# Altium PCB BeagleNode_revA.PcbDoc (part 1 of 2)
Units mil, origin at the board's own origin, x right, y up, seen from the top; angles counter-clockwise.
Board outline 5433.07 x 3425.2 mil, 2 copper layers (Top Layer, Bottom Layer), stack 61.756 mil thick; 246 components, 218 nets, 760 pads, 373 vias.
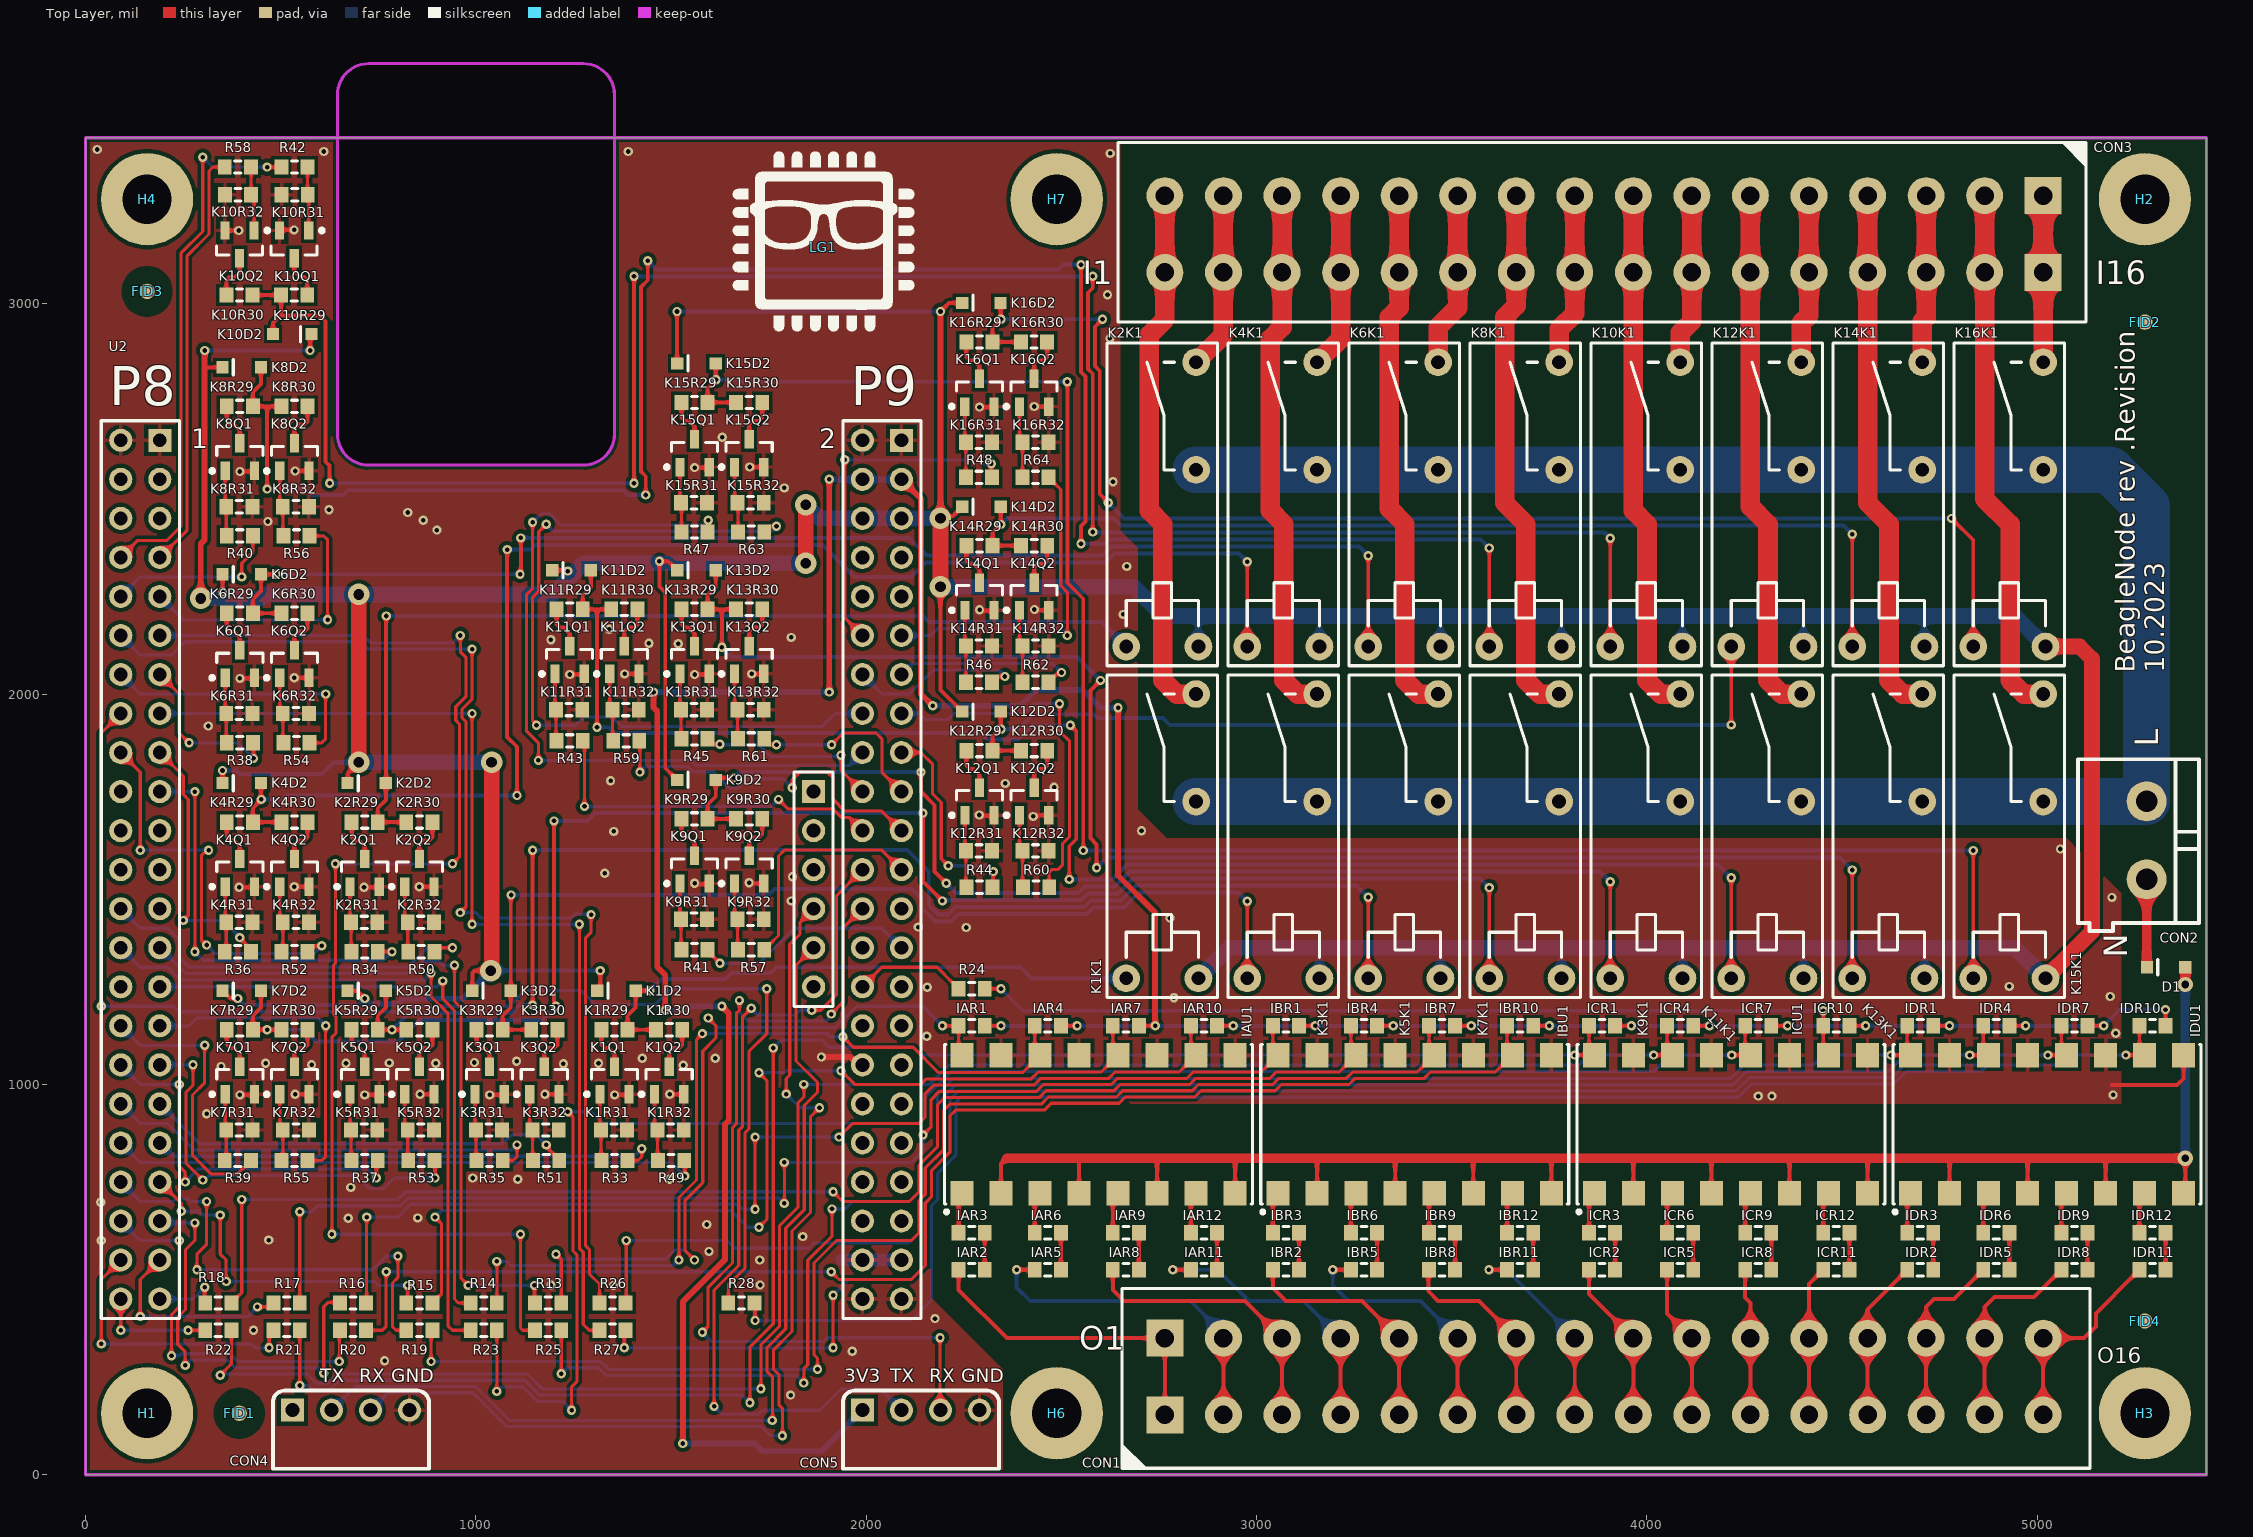
[diagram p0: Top Layer view]
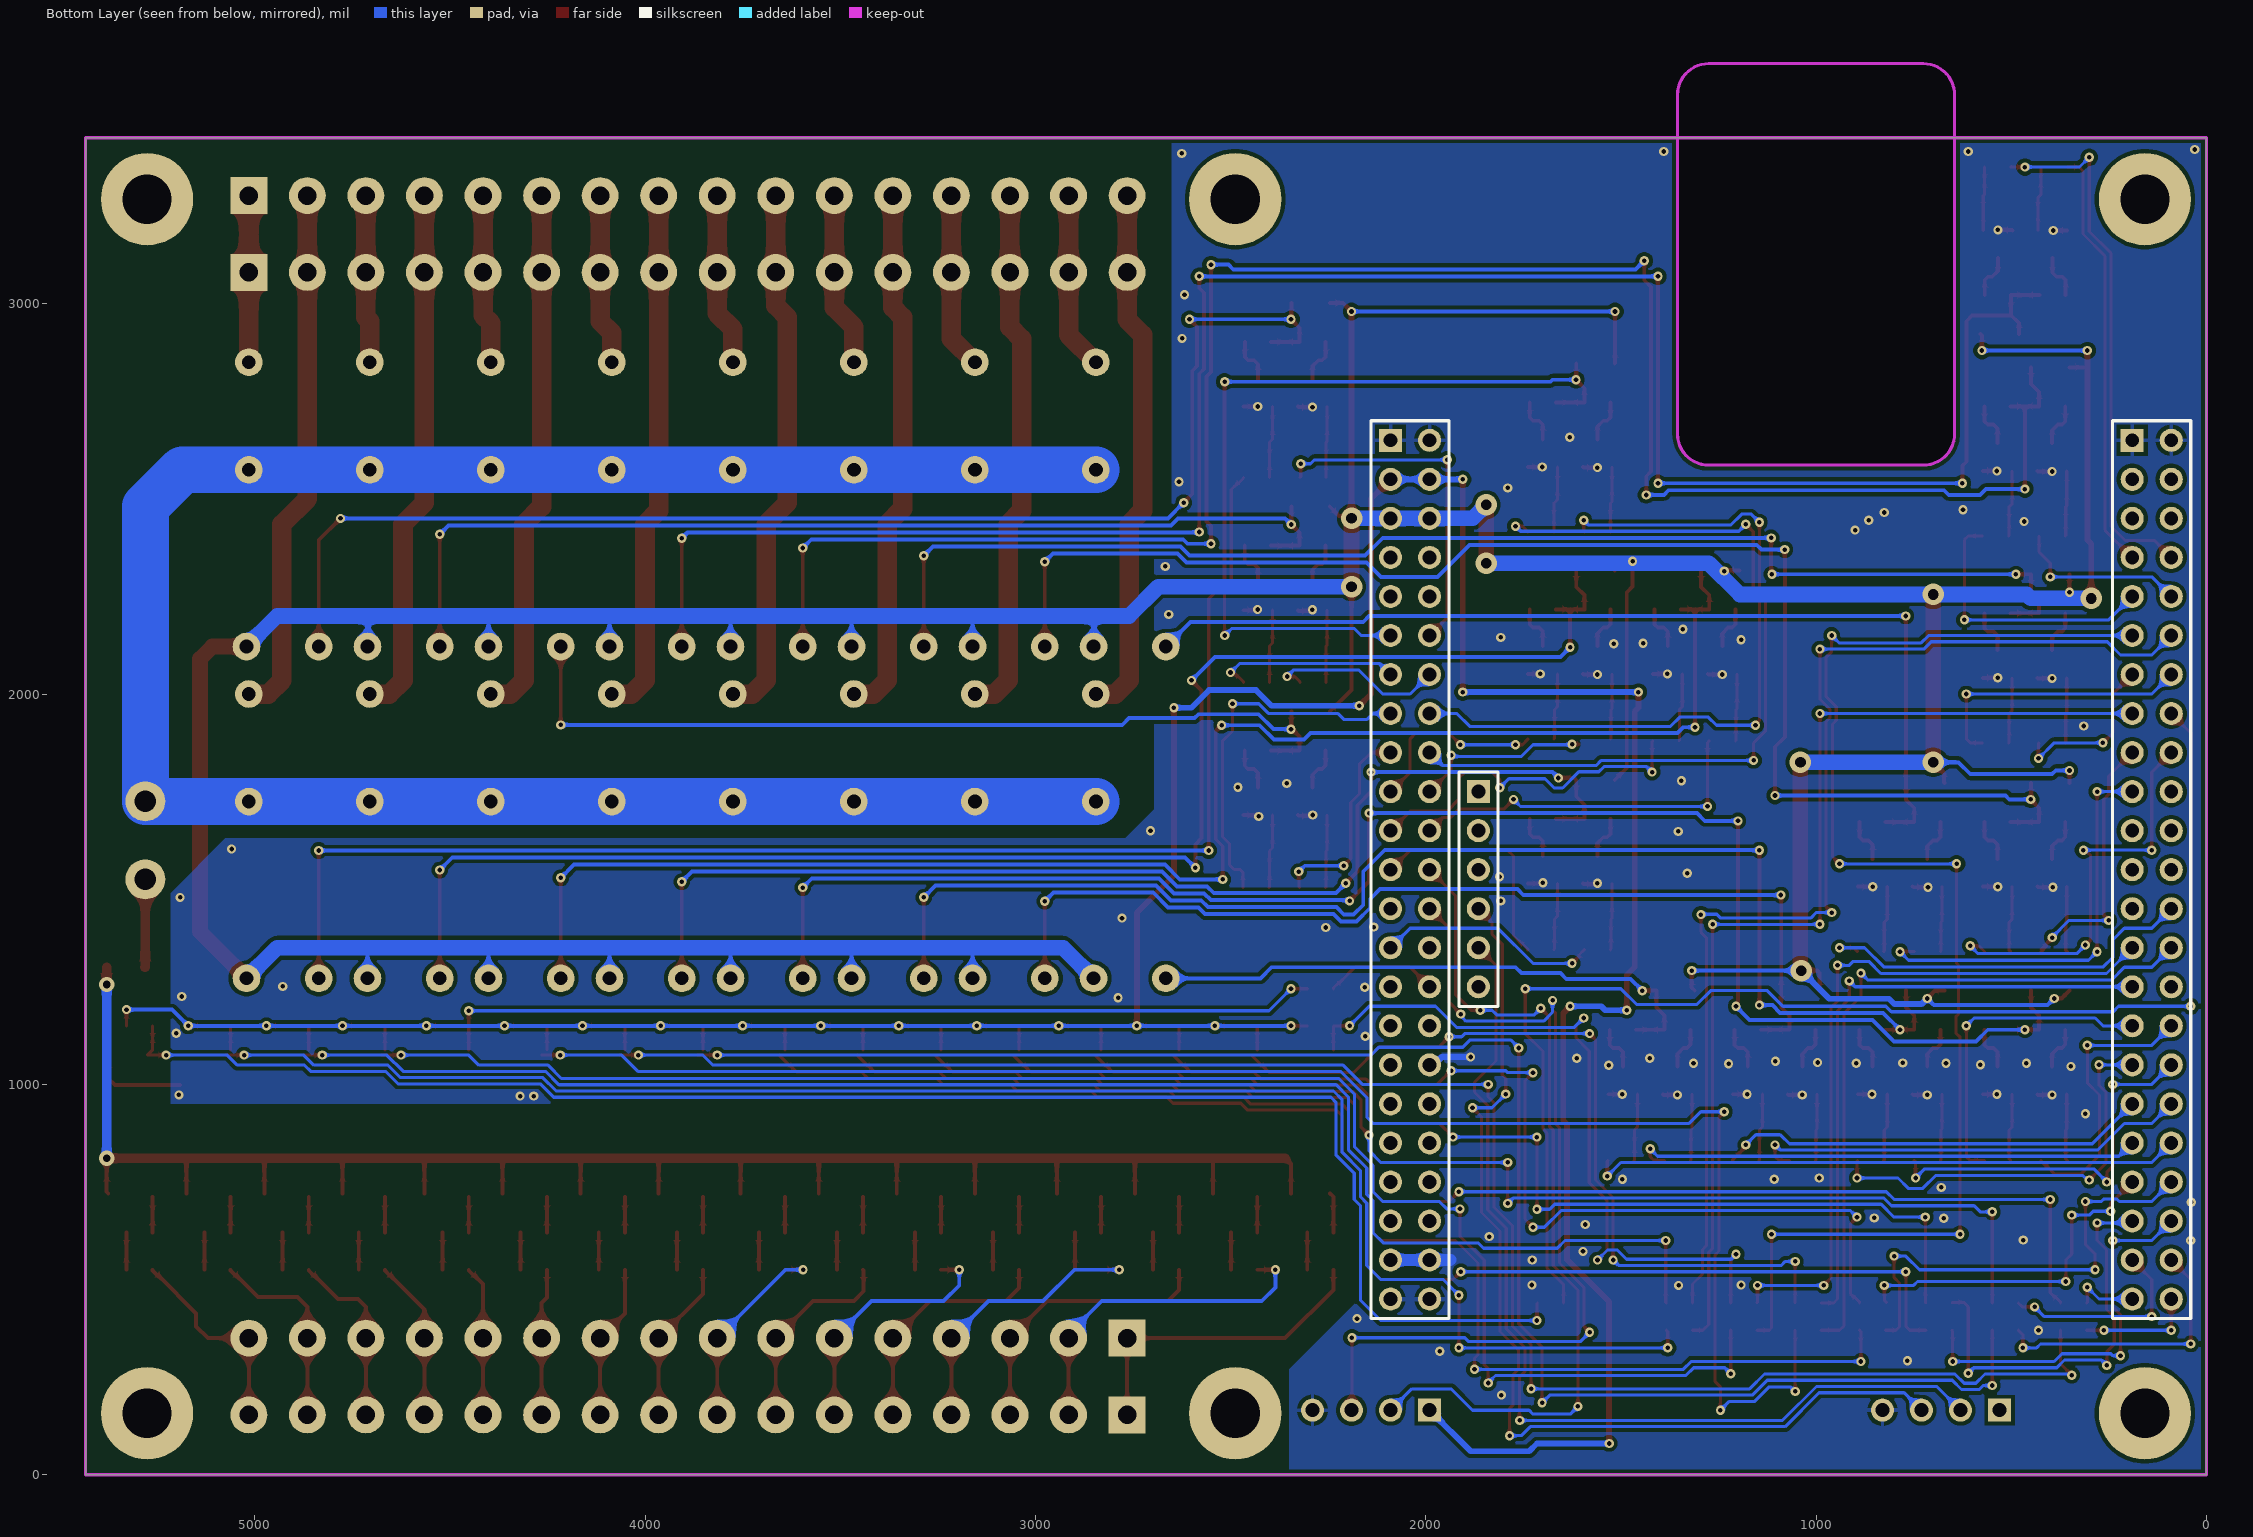
[diagram p1: Bottom Layer view, seen from below]

## Layer stack, top to bottom
Top Solder: solder mask 1, SM-001, Dk 4
Top Layer: signal copper 1.378
Dielectric 1: core 59, Core-043, Dk 4.3
Bottom Layer: signal copper 1.378
Bottom Solder: solder mask 1, SM-001, Dk 4

## Board outline
0,0 5433.07,0 5433.07,3425.2 0,3425.2

## Design rules (kind name [scope] priority, off if disabled: settings)
Clearance poly_clerance [InNamedPolygon('C') or InNamedPolygon('C')] p1: gap=10 ignorepadtopadclearanceinfootprint=FALSE
Clearance [All] p2: gap=10 ignorepadtopadclearanceinfootprint=TRUE except(8: Arc-Arc Arc-Track Arc-SMDPad Arc-Fill Arc-Poly Arc-Region Track-Track Track-SMDPad Track-Fill Track-Poly Track-Region SMDPad-SMDPad SMDPad-Fill SMDPad-Poly SMDPad-Region Fill-Fill Fill-Poly Fill-Region Poly-Poly Poly-Region Region-Region)
DiffPairsRouting [All] p1: maxlimit=100 minlimit=9 mostfreqgap=10 toplayer_minwidth=7 toplayer_maxwidth=20 toplayer_prefwidth=15 bottomlayer_minwidth=7 bottomlayer_maxwidth=20 bottomlayer_prefwidth=15 maxuncoupledlength=500
FanoutControl Fanout_LCC [IsLCC] p1: bgadir=Out bgaviamode=Centered fanoutstyle=Auto fanoutdirection=Alternating viagrid=1 // Fanout_LCC (Default Rule)
FanoutControl Fanout_SOIC [IsSOIC] p2: bgadir=Out bgaviamode=Centered fanoutstyle=Auto fanoutdirection=Alternating viagrid=1 // Fanout_SOIC (Default Rule)
FanoutControl Fanout_Small [(CompPinCount < 5)] p3: bgadir=Out bgaviamode=Centered fanoutstyle=Auto fanoutdirection=OutThenIn viagrid=1 // Fanout_Small (Default Rule)
FanoutControl Fanout_Default [All] p4: bgadir=Out bgaviamode=Centered fanoutstyle=Auto fanoutdirection=Alternating viagrid=1 // Fanout_Default (Default Rule)
Height [All] p1: minheight=0 maxheight=1200 prefheight=500
HoleSize [All] p1: absolutevalues=TRUE maxlimit=200 minlimit=1 maxpercent=80.000 minpercent=20.000
HoleToHoleClearance [All] p1: gap=5 allowstackedmicrovias=TRUE
MinimumSolderMaskSliver [All] p1: minsoldermaskwidth=1
PasteMaskExpansion [InNet('230V_N')] p1: expansion=20
PlaneClearance [All] p1: clearance=10
PlaneConnect Via_Thermal_Relief [IsStitchingVia Or IsVia] p1: planeconnectstyle=Direct reliefexpansion=20 reliefentries=4 reliefconductorwidth=10 reliefairgap=40
PlaneConnect PEConnect [InNet('PE')] p2: planeconnectstyle=Relief reliefexpansion=20 reliefentries=4 reliefconductorwidth=10 reliefairgap=40
PlaneConnect [All] p3: planeconnectstyle=Direct reliefexpansion=8 reliefentries=4 reliefconductorwidth=8 reliefairgap=5
PolygonConnect GND_VIA_CONN [InNet('GND') And (IsStitchingVia Or IsVia)] p1: connectstyle=Direct reliefconductorwidth=10 reliefentries=4 polygonreliefangle="90 Angle" airgapwidth=10
PolygonConnect GNDE_VIA_CONN [InNet('GNDE') And (IsStitchingVia Or IsVia)] p2: connectstyle=Direct reliefconductorwidth=10 reliefentries=4 polygonreliefangle="90 Angle" airgapwidth=10
PolygonConnect BAT-VIA_CONN [InNet('BAT-') And (IsStitchingVia Or IsVia)] p3: connectstyle=Direct reliefconductorwidth=10 reliefentries=4 polygonreliefangle="90 Angle" airgapwidth=10
PolygonConnect [All] p4: connectstyle=Relief reliefconductorwidth=10 reliefentries=4 polygonreliefangle="90 Angle" airgapwidth=10
RoomDefinition K10 [InComponentClass('K10') and (not InComponent('K10K1'))] p1: confinementstyle=ConfineIn formatcopy=TRUE lockcomponents=FALSE outline 619.21,3314.02 309.21,3314.02 309.21,2887.1 619.21,2887.1
RoomDefinition K1 [InComponentClass('K1') and (not InComponent('K1K1'))] p2: confinementstyle=ConfineIn formatcopy=TRUE lockcomponents=FALSE outline 1270,848.08 1580,848.08 1580,1275 1270,1275
RoomDefinition K2 [InComponentClass('K2') and (not InComponent('K2K1'))] p3: confinementstyle=ConfineIn formatcopy=TRUE lockcomponents=FALSE outline 630,1380 940,1380 940,1806.92 630,1806.92
RoomDefinition K3 [InComponentClass('K3') and (not InComponent('K3K1'))] p4: confinementstyle=ConfineIn formatcopy=TRUE lockcomponents=FALSE outline 950,848.08 1260,848.08 1260,1275 950,1275
RoomDefinition K4 [InComponentClass('K4') and (not InComponent('K4K1'))] p5: confinementstyle=ConfineIn formatcopy=TRUE lockcomponents=FALSE outline 310,1380 620,1380 620,1806.92 310,1806.92
RoomDefinition K5 [InComponentClass('K5') and (not InComponent('K5K1'))] p6: confinementstyle=ConfineIn formatcopy=TRUE lockcomponents=FALSE outline 630,848.08 940,848.08 940,1275 630,1275
RoomDefinition K6 [InComponentClass('K6') and (not InComponent('K6K1'))] p7: confinementstyle=ConfineIn formatcopy=TRUE lockcomponents=FALSE outline 310,1915 620,1915 620,2341.92 310,2341.92
RoomDefinition K7 [InComponentClass('K7') and (not InComponent('K7K1'))] p8: confinementstyle=ConfineIn formatcopy=TRUE lockcomponents=FALSE outline 310,848.08 620,848.08 620,1275 310,1275
RoomDefinition K8 [InComponentClass('K8') and (not InComponent('K8K1'))] p9: confinementstyle=ConfineIn formatcopy=TRUE lockcomponents=FALSE outline 310,2445 620,2445 620,2871.92 310,2871.92
RoomDefinition K9 [InComponentClass('K9') and (not InComponent('K9K1'))] p10: confinementstyle=ConfineIn formatcopy=TRUE lockcomponents=FALSE outline 1475,1388.08 1785,1388.08 1785,1815 1475,1815
RoomDefinition K11 [InComponentClass('K11') and (not InComponent('K11K1'))] p11: confinementstyle=ConfineIn formatcopy=TRUE lockcomponents=FALSE outline 1155,1925 1465,1925 1465,2351.92 1155,2351.92
RoomDefinition K12 [InComponentClass('K12') and (not InComponent('K12K1'))] p12: confinementstyle=ConfineIn formatcopy=TRUE lockcomponents=FALSE outline 2205,1563.08 2515,1563.08 2515,1990 2205,1990
RoomDefinition K13 [InComponentClass('K13') and (not InComponent('K13K1'))] p13: confinementstyle=ConfineIn formatcopy=TRUE lockcomponents=FALSE outline 1475,1925 1785,1925 1785,2351.92 1475,2351.92
RoomDefinition K14 [InComponentClass('K14') and (not InComponent('K14K1'))] p14: confinementstyle=ConfineIn formatcopy=TRUE lockcomponents=FALSE outline 2205,2088.08 2515,2088.08 2515,2515 2205,2515
RoomDefinition K15 [InComponentClass('K15') and (not InComponent('K15K1'))] p15: confinementstyle=ConfineIn formatcopy=TRUE lockcomponents=FALSE outline 1475,2455 1785,2455 1785,2881.92 1475,2881.92
RoomDefinition K16 [InComponentClass('K16') and (not InComponent('K16K1'))] p16: confinementstyle=ConfineIn formatcopy=TRUE lockcomponents=FALSE outline 2204.81,2610 2514.81,2610 2514.81,3036.92 2204.81,3036.92
RoutingVias [All] p1: holewidth=5.91 width=11.81 viastyle="Through Hole" minholewidth=5.91 minwidth=11.81 maxholewidth=500 maxwidth=1000
SilkToSilkClearance [All] p1: silktosilkclearance=5
SilkToSolderMaskClearance SilkscreenOverComponentPads [IsPad] p1: minsilkscreentomaskgap=1 clearancetoexposedcopper=TRUE
SolderMaskExpansion [InNet('230V_N')] p1: expansion=5 istentingtop=FALSE
Width GND [InNet('GND')] p1: maxlimit=100 minlimit=7 preferedwidth=50
Width [All] p2: maxlimit=200 minlimit=7 preferedwidth=8
15 further rules are at their usual default settings.

## Classes and differential pairs
channel class relay: K1 K2 K3 K4 K5 K6 K7 K8 K9 K10 K11 K12 K13 K14 K15 K16
channel class opto: IA IB IC ID
net class PULL[1..16]: PULL1 PULL2 PULL3 PULL4 PULL5 PULL6 PULL7 PULL8 PULL9 PULL10 PULL11 PULL12 PULL13 PULL14 PULL15 PULL16
net class OUTD[1..4]: OUTD1 OUTD2 OUTD3 OUTD4
net class OUTC[1..4]: OUTC1 OUTC2 OUTC3 OUTC4
net class OUTB[1..4]: OUTB1 OUTB2 OUTB3 OUTB4
net class OUTA[1..4]: OUTA1 OUTA2 OUTA3 OUTA4
net class OUT[1..32]: OUT1 OUT2 OUT3 OUT4 OUT5 OUT6 OUT7 OUT8 OUT9 OUT10 OUT11 OUT12 OUT13 OUT14 OUT15 OUT16 OUT17 OUT18 OUT19 OUT20 OUT21 OUT22 OUT23 OUT24 OUT25 OUT26 OUT27 OUT28 OUT29 OUT30 OUT31 OUT32
net class LOUT[1..16]: LOUT1 LOUT2 LOUT3 LOUT4 LOUT5 LOUT6 LOUT7 LOUT8 LOUT9 LOUT10 LOUT11 LOUT12 LOUT13 LOUT14 LOUT15 LOUT16
net class IND[1..4]: IND1 IND2 IND3 IND4
net class INC[1..4]: INC1 INC2 INC3 INC4
net class INB[1..4]: INB1 INB2 INB3 INB4
net class INA[1..4]: INA1 INA2 INA3 INA4
net class IN[1..16]: IN1 IN2 IN3 IN4 IN5 IN6 IN7 IN8 IN9 IN10 IN11 IN12 IN13 IN14 IN15 IN16
net class HOLD[1..16]: HOLD1 HOLD2 HOLD3 HOLD4 HOLD5 HOLD6 HOLD7 HOLD8 HOLD9 HOLD10 HOLD11 HOLD12 HOLD13 HOLD14 HOLD15 HOLD16
component class U_sbc: CON4 CON5 U2
component class U_output: CON3 R33 R34 R35 R36 R37 R38 R39 R40 R41 R42 R43 R44 R45 R46 R47 R48 R49 R50 R51 R52 R53 R54 R55 R56 R57 R58 R59 R60 R61 R62 R63 R64
component class U_input: CON1 R13 R14 R15 R16 R17 R18 R19 R20 R21 R22 R23 R24 R25 R26 R27 R28
component class top: CON2 D1 FID1 FID2 FID3 FID4 H1 H2 H3 H4 H6 H7 LG1
component class K16: K16D2 K16K1 K16Q1 K16Q2 K16R29 K16R30 K16R31 K16R32
component class K15: K15D2 K15K1 K15Q1 K15Q2 K15R29 K15R30 K15R31 K15R32
component class K14: K14D2 K14K1 K14Q1 K14Q2 K14R29 K14R30 K14R31 K14R32
component class K13: K13D2 K13K1 K13Q1 K13Q2 K13R29 K13R30 K13R31 K13R32
component class K12: K12D2 K12K1 K12Q1 K12Q2 K12R29 K12R30 K12R31 K12R32
component class K11: K11D2 K11K1 K11Q1 K11Q2 K11R29 K11R30 K11R31 K11R32
component class K10: K10D2 K10K1 K10Q1 K10Q2 K10R29 K10R30 K10R31 K10R32
component class K9: K9D2 K9K1 K9Q1 K9Q2 K9R29 K9R30 K9R31 K9R32
component class K8: K8D2 K8K1 K8Q1 K8Q2 K8R29 K8R30 K8R31 K8R32
component class K7: K7D2 K7K1 K7Q1 K7Q2 K7R29 K7R30 K7R31 K7R32
component class K6: K6D2 K6K1 K6Q1 K6Q2 K6R29 K6R30 K6R31 K6R32
component class K5: K5D2 K5K1 K5Q1 K5Q2 K5R29 K5R30 K5R31 K5R32
component class K4: K4D2 K4K1 K4Q1 K4Q2 K4R29 K4R30 K4R31 K4R32
component class K3: K3D2 K3K1 K3Q1 K3Q2 K3R29 K3R30 K3R31 K3R32
component class K2: K2D2 K2K1 K2Q1 K2Q2 K2R29 K2R30 K2R31 K2R32
component class K1: K1D2 K1K1 K1Q1 K1Q2 K1R29 K1R30 K1R31 K1R32
component class ID: IDR1 IDR2 IDR3 IDR4 IDR5 IDR6 IDR7 IDR8 IDR9 IDR10 IDR11 IDR12 IDU1
component class IC: ICR1 ICR2 ICR3 ICR4 ICR5 ICR6 ICR7 ICR8 ICR9 ICR10 ICR11 ICR12 ICU1
component class IB: IBR1 IBR2 IBR3 IBR4 IBR5 IBR6 IBR7 IBR8 IBR9 IBR10 IBR11 IBR12 IBU1
component class IA: IAR1 IAR2 IAR3 IAR4 IAR5 IAR6 IAR7 IAR8 IAR9 IAR10 IAR11 IAR12 IAU1

## Components (designator, comment, footprint, x,y, rotation, side; value= is the part's Value field where it differs from the comment)
CON1 "DG235-3.81-16P" DG235-3.81-16P 3890,251.57 r0 top locked
CON2 "DG306-5.0-02P-12-00A(H)" TERMINAL-BLOCK-2WAY-5.0 5413.85,1402.96 r90 top locked
CON3 "DG235-3.81-16P" DG235-3.81-16P 3890,3178.43 r180 top locked
CON4 "DS1022-1*4RDF14" HMTA_1X4_2.54_3.60 679.8,165.35 r0 top
CON5 "DS1022-1*4RDF14" HMTA_1X4_2.54_3.60 2140,165.35 r0 top
D1 "FR05JFL" SOD323 5330,1300 r0 top
FID1 "Generic fidutial" FID_ROUND 393.7,157.48 r0 top
FID2 "Generic fidutial" FID_ROUND 5275.59,2952.76 r90 top
FID3 "Generic fidutial" FID_ROUND 157.48,3031.5 r90 top
FID4 "Generic fidutial" FID_ROUND 5275.59,393.7 r90 top
H1 "3.2/6mm" hole-3.2/6 157.48,157.48 r0 top
H2 "3.2/6mm" hole-3.2/6 5275.59,3267.72 r0 top
H3 "3.2/6mm" hole-3.2/6 5275.59,157.48 r0 top
H4 "3.2/6mm" hole-3.2/6 157.48,3267.72 r0 top
H6 "3.2/6mm" hole-3.2/6 2487.83,157.48 r0 top
H7 "3.2/6mm" hole-3.2/6 2487.83,3267.72 r0 top
IAR1 "10k" RES0603 2270,1150 r0 top (schematic designator R1)
IAR2 "220k" RES0603 2270,525 r180 top (schematic designator R2)
IAR3 "220k" RES0603 2270,620 r0 top (schematic designator R3)
IAR4 "10k" RES0603 2465,1150 r0 top (schematic designator R4)
IAR5 "220k" RES0603 2465,525 r180 top (schematic designator R5)
IAR6 "220k" RES0603 2465,620 r0 top (schematic designator R6)
IAR7 "10k" RES0603 2665,1150 r0 top (schematic designator R7)
IAR8 "220k" RES0603 2665,525 r180 top (schematic designator R8)
IAR9 "220k" RES0603 2665,620 r0 top (schematic designator R9)
IAR10 "10k" RES0603 2865,1150 r0 top (schematic designator R10)
IAR11 "220k" RES0603 2865,525 r180 top (schematic designator R11)
IAR12 "220k" RES0603 2865,620 r0 top (schematic designator R12)
IAU1 "LTV-847S" GULLWING16 2595,897.83 r0 top locked (schematic designator U1)
IBR1 "10k" RES0603 3075,1150 r0 top (schematic designator R1)
IBR2 "220k" RES0603 3075,525 r180 top (schematic designator R2)
IBR3 "220k" RES0603 3075,620 r0 top (schematic designator R3)
IBR4 "10k" RES0603 3275,1150 r0 top (schematic designator R4)
IBR5 "220k" RES0603 3275,525 r180 top (schematic designator R5)
IBR6 "220k" RES0603 3275,620 r0 top (schematic designator R6)
IBR7 "10k" RES0603 3475,1150 r0 top (schematic designator R7)
IBR8 "220k" RES0603 3475,525 r180 top (schematic designator R8)
IBR9 "220k" RES0603 3475,620 r0 top (schematic designator R9)
IBR10 "10k" RES0603 3675,1150 r0 top (schematic designator R10)
IBR11 "220k" RES0603 3675,525 r180 top (schematic designator R11)
IBR12 "220k" RES0603 3675,620 r0 top (schematic designator R12)
IBU1 "LTV-847S" GULLWING16 3405,897.83 r0 top locked (schematic designator U1)
ICR1 "10k" RES0603 3885,1150 r0 top (schematic designator R1)
ICR2 "220k" RES0603 3885,525 r180 top (schematic designator R2)
ICR3 "220k" RES0603 3885,620 r0 top (schematic designator R3)
ICR4 "10k" RES0603 4085,1150 r0 top (schematic designator R4)
ICR5 "220k" RES0603 4085,525 r180 top (schematic designator R5)
ICR6 "220k" RES0603 4085,620 r0 top (schematic designator R6)
ICR7 "10k" RES0603 4285,1150 r0 top (schematic designator R7)
ICR8 "220k" RES0603 4285,525 r180 top (schematic designator R8)
ICR9 "220k" RES0603 4285,620 r0 top (schematic designator R9)
ICR10 "10k" RES0603 4485,1150 r0 top (schematic designator R10)
ICR11 "220k" RES0603 4485,525 r180 top (schematic designator R11)
ICR12 "220k" RES0603 4485,620 r0 top (schematic designator R12)
ICU1 "LTV-847S" GULLWING16 4215,897.83 r0 top locked (schematic designator U1)
IDR1 "10k" RES0603 4700,1150 r0 top (schematic designator R1)
IDR2 "220k" RES0603 4700,525 r180 top (schematic designator R2)
IDR3 "220k" RES0603 4700,620 r0 top (schematic designator R3)
IDR4 "10k" RES0603 4895,1150 r0 top (schematic designator R4)
IDR5 "220k" RES0603 4895,525 r180 top (schematic designator R5)
IDR6 "220k" RES0603 4895,620 r0 top (schematic designator R6)
IDR7 "10k" RES0603 5095,1150 r0 top (schematic designator R7)
IDR8 "220k" RES0603 5095,525 r180 top (schematic designator R8)
IDR9 "220k" RES0603 5095,620 r0 top (schematic designator R9)
IDR10 "10k" RES0603 5295,1150 r0 top (schematic designator R10)
IDR11 "220k" RES0603 5295,525 r180 top (schematic designator R11)
IDR12 "220k" RES0603 5295,620 r0 top (schematic designator R12)
IDU1 "LTV-847S" GULLWING16 5025,897.83 r0 top locked (schematic designator U1)
K1D2 "FR05JFL" SOD323 1360,1240 r0 top (schematic designator D2)
K1K1 "PCJ-105D3M.301" 1721081-2 2758.39,1635.83 r90 top locked (schematic designator K1)
K1Q1 "BSS123" sot23-3l 1355,1010 r90 top (schematic designator Q1)
K1Q2 "BSS123" sot23-3l 1495,1010 r90 top (schematic designator Q2)
K1R29 "33R" RES0603 1355,1140 r180 top (schematic designator R29)
K1R30 "430R" RES0603 1495,1140 r0 top (schematic designator R30)
K1R31 "10k" RES0603 1353.66,883.08 r0 top (schematic designator R31)
K1R32 "10k" RES0603 1498.66,883.08 r0 top (schematic designator R32)
K2D2 "FR05JFL" SOD323 720,1771.92 r0 top (schematic designator D2)
K2K1 "PCJ-105D3M.301" 1721081-2 2758.39,2485.83 r90 top locked (schematic designator K1)
K2Q1 "BSS123" sot23-3l 715,1541.92 r90 top (schematic designator Q1)
K2Q2 "BSS123" sot23-3l 855,1541.92 r90 top (schematic designator Q2)
K2R29 "33R" RES0603 715,1671.92 r180 top (schematic designator R29)
K2R30 "430R" RES0603 855,1671.92 r0 top (schematic designator R30)
K2R31 "10k" RES0603 713.66,1415 r0 top (schematic designator R31)
K2R32 "10k" RES0603 858.66,1415 r0 top (schematic designator R32)
K3D2 "FR05JFL" SOD323 1040,1240 r0 top (schematic designator D2)
K3K1 "PCJ-105D3M.301" 1721081-2 3068.39,1635.83 r90 top locked (schematic designator K1)
K3Q1 "BSS123" sot23-3l 1035,1010 r90 top (schematic designator Q1)
K3Q2 "BSS123" sot23-3l 1175,1010 r90 top (schematic designator Q2)
K3R29 "33R" RES0603 1035,1140 r180 top (schematic designator R29)
K3R30 "430R" RES0603 1175,1140 r0 top (schematic designator R30)
K3R31 "10k" RES0603 1033.66,883.08 r0 top (schematic designator R31)
K3R32 "10k" RES0603 1178.66,883.08 r0 top (schematic designator R32)
K4D2 "FR05JFL" SOD323 400,1771.92 r0 top (schematic designator D2)
K4K1 "PCJ-105D3M.301" 1721081-2 3068.39,2485.83 r90 top locked (schematic designator K1)
K4Q1 "BSS123" sot23-3l 395,1541.92 r90 top (schematic designator Q1)
K4Q2 "BSS123" sot23-3l 535,1541.92 r90 top (schematic designator Q2)
K4R29 "33R" RES0603 395,1671.92 r180 top (schematic designator R29)
K4R30 "430R" RES0603 535,1671.92 r0 top (schematic designator R30)
K4R31 "10k" RES0603 393.66,1415 r0 top (schematic designator R31)